# Altium PCB DataDriven_PCB.PcbDoc (part 3 of 3)
Units mil, origin at the board's own origin, x right, y up, seen from the top; angles counter-clockwise.
Board outline 5198.03 x 4870.08 mil, 4 copper layers (Top, GND, PWR, Bottom), stack 59.694 mil thick; 132 components, 92 nets, 564 pads, 527 vias.
Unrouted connection lines stored in the file: 5.
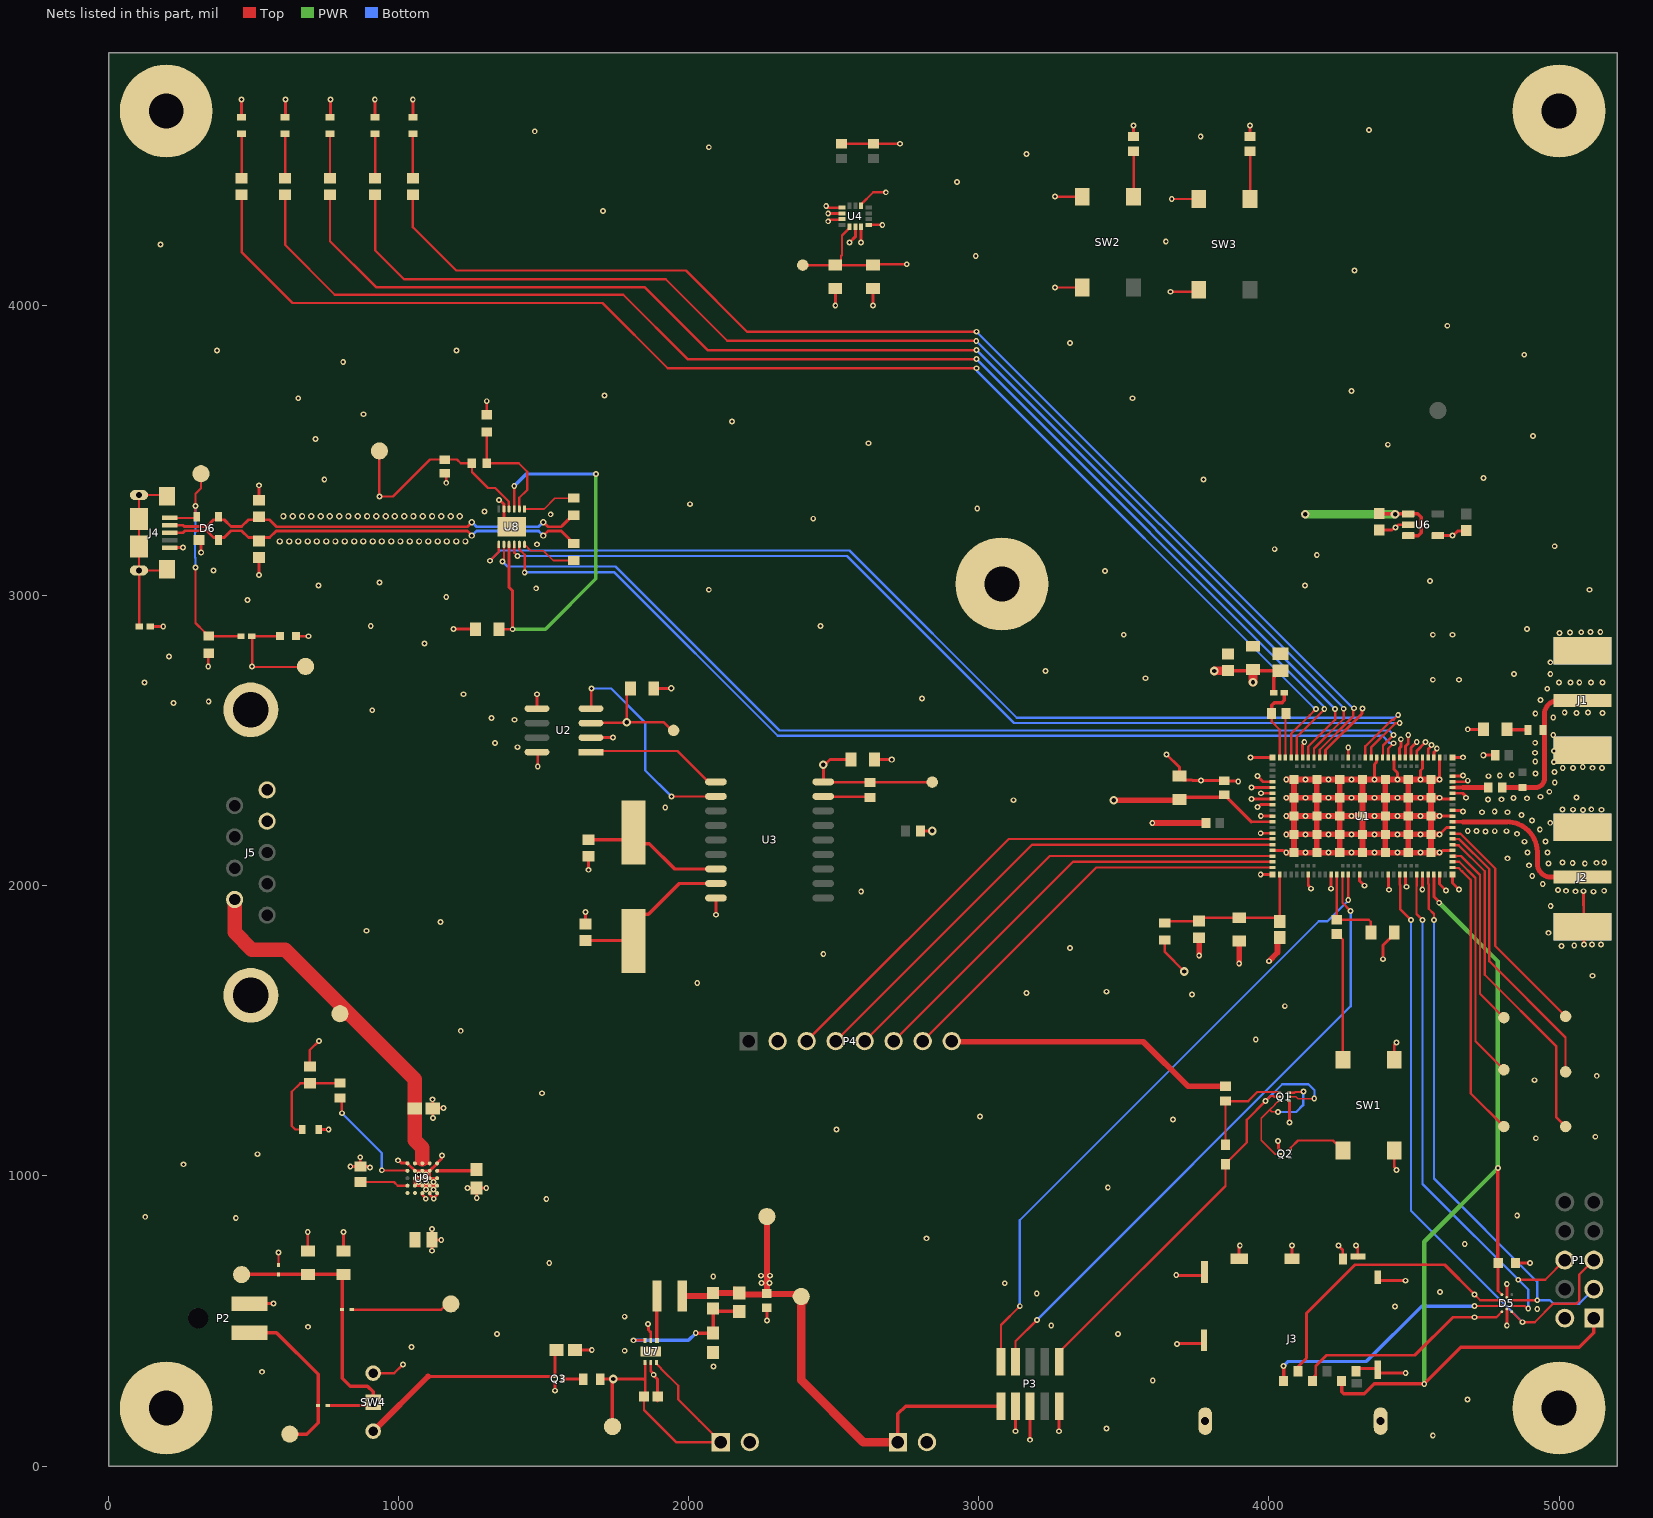
[diagram p5: the nets of this part, all layers, seen from the top]

## Via types
v1: diameter 20, hole 10, Top to Bottom, tented both sides, 465 vias
v2: diameter 22, hole 12, Top to Bottom, tented both sides, 51 vias
v3: diameter 30, hole 15, Top to Bottom, tented both sides, 11 vias

## Nets (pads, with @x,y where several pads share a name; then routed paths per layer and width w, separated by ;. In a path a pad name is that pad's centre, name@x,y a point inside that pad or via, vN(x,y) a via of type N, cw(c..) or ccw(c..) an arc to the next point about the centre after c; other vN are vias at no path point) (continued)
GND: C1.2 C2.2 C3.1 C4.2 C5.2 C6.1 C7.2 C8.2 C9.2 C10.2 C12.2 C13.1 C14.2 C15.2 C16.2 C17.1 C18.1 C26.2 C27.2 C28.2 C29.2 C30.2 C31.2 C32.2 C33.2 C34.2 C36.2 C37.2 C38.2 C39.2 C40.2 C41.2 C42.1 C43.1 D5.B1 D5.B2 D6.1 DS1.2 DS2.2 DS3.2 DS4.2 DS5.2 DS6.2 FB2.2 J1.2 J1.3 J1.4 J1.5 J2.2 J2.3 J2.4 J2.5 J3.4 J3.8 J3.9 J3.10 J3.11 J3.12 J3.13 J3.14 J3.15 J3.16 J3.17 J4.5 J5.1 J5.2 J5.MH1 J5.MH2 MT1.1 MT2.1 MT3.1 MT4.1 MT5.1 P1.2 P2.1 P3.3 P3.5 P3.9 P4.2 P5.2 P6.2 Q1.1 Q2.1 Q3.2 R13.2 R19.2 R21.2 R22.2 R23.1 R26.1 SW1.3 SW1.4 U1.1 U1.5 U1.6 U1.7 U1.8 U1.9 U1.11 U1.14 U1.17 U1.21 U1.27 U1.31 U1.36 U1.41 U1.44 U1.47 U1.50 U1.52 U1.56 U1.60 U1.62 U1.63 U1.65 U1.66 U1.68 U1.69 U1.72 U1.74 U1.75 U1.76 U1.77 U1.78 U1.79 U1.80 U1.81 U1.82 U1.85 U1.90 U1.94 U1.98 U1.103 U2.2 U2.5 U2.8 U3.9 U4.1 U4.2 U4.3 U4.6 U4.7 U6.2 U6.4 U7.2 U7.5 U7.7 U8.5 U8.13 U9.A1 U9.A5 U9.B2 U9.B3 U9.B4 U9.C2 U9.C3 U9.C4 U9.C5 U9.D2 U9.D3 U9.D4 U9.D5 U9.E3 U9.E4 U9.E5 | length 12757.8
  Top w10: FB2.2@144.69,2893.7 v1(190,2893.7) ; J4.5@211.61,3165.35 v1(257.87,3165.35) ; D6.1@313,3191.26 320,3184.26 v2(320,3148.47) ; v1(345,2755.91) 345,2799.72 C40.2@346.46,2801.18 ; v1(459.96,4710.04) v1(459.96,4710.04) DS5.2@460,4648.54 ; P2.1@487.01,560 v1(570,560) ; v1(520,3071.46) C42.1@520,3131.46 ; C43.1@520,3328.54 v1(520,3380) ; v1(610.98,4710.04) 611.03,4710 DS4.2@611.03,4648.54 ; C41.2@647.56,2860 v1(690,2860) ; v1(687.99,807.09) 687.99,742.13 C31.2@688.98,741.14 ; DS6.2@725.9,1160 v1(760,1160) ; v1(766.73,4710.04) v1(766.73,4710.04) DS3.2@766.77,4648.54 ; C30.2@811.02,741.14 v1(811.02,807.09) ; v1(834.5,1032.83) R22.2@868.75,1032.83 ; v1(868.6,1064.26) 868.6,1032.97 R22.2@868.75,1032.83 ; R22.2@869.11,1032.46 R22.2@868.75,1032.83 ; v1(902.51,1029.54) 899.8,1029.54 896.51,1032.83 R22.2@868.75,1032.83 ; v1(919.02,4710.04) 919.06,4710 DS2.2@919.06,4648.54 ; v1(999.2,1053.8) 1001.9,1053.8 1011.67,1044.03 1030.77,1044.03 U9.A1@1031.5,1043.31 U9.B2@1057.09,1017.72 U9.B3@1082.68,1017.72 U9.B4@1108.27,1017.72 ; DS1.2@1050.04,4648.54 1050.04,4710 v1(1050,4710.04) ; U9.E3@1082.68,940.94 1083.4,940.22 1083.4,934.86 1094.49,923.77 v1(1094.49,921.26) ; U9.E4@1108.27,940.94 1108.99,940.22 1108.99,934.86 v1@1122.05,921.8 ; v1(1116.02,817.19) 1116.02,779.65 C29.2@1116.14,779.53 C29.2@1116.14,779.53 ; v1(1116.18,742.12) C29.2@1116.14,779.53 ; v1(1117.94,1264.04) 1118.75,1263.23 C28.2@1118.75,1232.92 ; C28.2@1118.11,1232.28 C28.2@1118.75,1232.92 ; v1(1119.56,1199.67) 1118.75,1200.48 C28.2@1118.75,1232.92 ; v1(1122.05,921.26) v1@1122.05,921.8 ; U9.E5@1133.86,940.94 1133.14,940.22 1133.14,934.86 1122.05,923.77 v1@1122.05,921.8 ; U9.D5@1133.86,966.54 U9.D4@1108.27,966.54 U9.D3@1082.68,966.54 U9.D2@1057.09,966.54 U9.C2@1057.09,992.13 U9.C3@1082.68,992.13 U9.C4@1108.27,992.13 ; U9.C5@1133.86,992.13 U9.C4@1108.27,992.13 ; v1(1147.95,779.14) 1116.53,779.14 C29.2@1116.14,779.53 ; v1(1150,1070) 1148.09,1068.09 1148.09,1058.56 1133.86,1044.33 U9.A5@1133.86,1043.31 U9.B4@1108.27,1017.72 ; v1(1155.55,1234.38) 1120.21,1234.38 C28.2@1118.75,1232.92 ; C38.2@1160.15,3421.47 1165,3416.63 v1(1165,3388.59) ; v1(1190,2885) 1264.83,2885 C39.2@1265.72,2884.11 ; v1(1238.17,958.89) 1238.71,958.36 R21.2@1268.61,958.36 ; R21.2@1270,957.9 R21.2@1270,956.97 ; v1(1270.36,923.49) 1270.36,956.61 R21.2@1270,956.97 ; v1(1302.95,958.01) 1268.96,958.01 R21.2@1268.61,958.36 ; C14.2@1304.84,3623.24 v1(1304.84,3670) ; v1@1351.91,3326.98 1363.89,3315 1363.89,3263.99 U8.13@1390.47,3237.41 ; U2.8@1477.81,2460.43 1480.32,2457.93 v1(1480.32,2411.2) ; U2.5@1477.81,2610.43 v1(1477.81,2660) ; Q3.2@1539.37,291.34 1539.61,291.34 1539.68,291.26 1539.68,260.32 v1(1540,260) ; R23.1@1608.57,400.49 1609.34,399.72 v1(1666.82,399.72) ; C18.1@1645,1868.54 v1(1645,1910) ; v1(1654.92,2055) C17.1@1654.92,2101.46 C17.1@1659.88,2096.5 ; U2.2@1663.92,2510.43 v1(1740,2510.43) ; v1(1860,490) 1861.91,488.09 1861.91,469.4 1869.92,461.39 1869.92,433.46 U7.2@1870,433.39 ; U7.5@1870,356.61 1870,327.71 1880,317.71 1880,312.29 1893.72,298.57 C33.2@1893.72,224.41 ; C16.2@1880.35,2680 v2(1940,2680) ; v1(2094.49,1900) U3.9@2094.49,1957.87 ; C36.2@2270,545.32 2270.97,544.35 v1(2270.97,502.08) ; v1(2474.41,4343.01) 2477.12,4343.01 2483.51,4336.61 U4.1@2529.04,4336.61 ; v1(2481.32,4289.72) 2486.95,4295.35 2527.15,4295.35 U4.3@2529.04,4297.24 ; v1(2481.3,4316.93) U4.2@2529.04,4316.93 ; v1(2505.91,4000) C27.2@2505.91,4058.07 ; v1(2555.04,4216.54) 2574.8,4236.3 U4.6@2574.8,4271.16 ; v1(2594.49,4216.54) U4.7@2594.49,4271.16 ; v1(2635.5,4000) C26.2@2635.5,4058.07 ; C15.2@2640.35,2435 v2(2700.35,2435) ; v1(3127.17,120) P3.3@3127.17,206.69 ; v1(3177.17,90.55) P3.5@3177.17,206.69 ; v1(3277.17,120) P3.9@3277.17,206.69 ; R19.2@3533.94,4582.52 v1(3533.94,4620) ; v1(3647.64,2452.76) 3691.93,2408.46 C1.2@3691.93,2377.95 3705.75,2364.13 3735.29,2364.13 3736.5,2362.92 v1(3765.74,2362.92) 3766.59,2362.07 3845.61,2362.07 C2.2@3846.46,2361.22 3847.26,2360.42 3893.76,2360.42 v1(3894.57,2359.61) ; v1(3680.7,658.23) 3681.45,657.48 3771.97,657.48 3778.78,664.29 J3.15@3778.78,669.02 J3.15@3778.78,679.13 ; v1(3683.8,421.31) 3684.94,422.44 3769.53,422.44 J3.16@3771.97,420 ; J3.14@3897.48,725.39 3897.48,727.39 3896.68,728.19 3896.68,756.15 3900,759.47 v1(3900,760) ; R13.2@3935.51,4582.52 v1(3935.51,4620) ; v1(3937.01,2441.73) U1.1@4012.99,2441.73 ; v1(3939.96,2299.21) U1.8@4012.99,2299.21 ; v1(3939.96,2338.58) U1.6@4012.99,2338.58 ; v1(3960.63,2271.65) 3963.88,2271.65 3971.75,2279.53 U1.9@4012.99,2279.53 ; v1(3960.63,2377.95) 3980.31,2358.27 U1.5@4012.99,2358.27 ; v1(3971.75,2038.58) U1.21@4012.99,2038.58 ; v1(3971.75,2181.1) U1.14@4012.99,2181.1 ; v1(3972.29,2240.41) 3972.41,2240.29 4012.86,2240.29 U1.11@4012.99,2240.16 ; v1(3972.44,2318.9) U1.7@4012.99,2318.9 ; U1.17@4013.62,2121.42 U1.17@4012.99,2122.05 4049.42,2122.05 4057.29,2114.17 v1(4060,2114.17) ; v1(4031.5,1120) 4032.56,1118.93 4032.56,1095 Q2.1@4035.58,1091.98 ; C7.2@4038.7,2800.83 C7.2@4040,2799.53 ; v1(4071.08,1183.99) Q1.1@4071.08,1255.91 ; J3.13@4079.96,725.39 4080,725.43 v1(4080,760) ; U1.98@4116.14,2441.73 4116.14,2486.53 4122.17,2492.56 v1(4122.17,2495.81) ; U1.27@4135.83,2038.58 4135.83,2001.88 4145,1992.71 v1(4145,1990) ; U1.94@4194.88,2441.73 4194.88,2467.36 4320.54,2593.02 4320.54,2608.76 v1(4322.45,2610.67) ; v1(4214.57,1990) U1.31@4214.57,2038.58 ; v1(4240,760) 4254.74,745.26 4254.74,728.19 4255.16,727.77 J3.12@4255.16,724.02 ; U1.90@4273.62,2441.73 v1(4273.62,2476.42) ; v1(4300,760) 4300,759.48 4306.51,752.97 J3.11@4306.51,716.73 ; J3.4@4300.83,336.61 4369.6,336.61 4374.82,331.4 J3.9@4374.82,320.87 ; U1.36@4312.99,2038.58 4312.99,2016.73 v1(4329.42,2000.31) ; v1(4364.11,2366.14) 4364.11,2414.47 cw(c4374.11,2414.43) 4367.2,2421.66 ccw(c4358.27,2431.1) 4371.27,2431.1 4371.27,2436.1 U1.85@4372.05,2441.73 ; J3.9@4375.23,342.52 J3.9@4375.23,332.4 4375.23,326.5 4380.86,320.87 4471.13,320.87 v1(4471.46,320.54) ; J3.10@4375.23,660.83 J3.10@4375.23,650.71 4375.23,639.17 4470.59,639.17 v1(4470.71,639.04) ; C32.2@4380,3226.39 4424.54,3226.39 4433.28,3235.13 v1(4435.98,3235.13) 4437.49,3235.13 4446.46,3244.09 U6.2@4480.31,3244.09 U6.2@4480.77,3244.55 ; v1(4393.62,1747.02) 4393.62,1795.25 4432.01,1833.64 C10.2@4432.01,1838.56 ; U1.41@4411.42,2038.58 4412.32,2037.68 4412.32,1987.73 v1(4413.64,1986.42) ; U1.82@4431.1,2441.73 4431.1,2401.57 4443.49,2389.19 v1(4443.49,2366.14) ; SW1.3@4432.28,1087.6 4432.28,1030.42 4440,1022.71 v1(4440,1020) ; SW1.4@4432.28,1400.59 4432.28,1450.82 4440,1458.54 v1(4440,1460) ; U1.81@4450.79,2441.73 4450.79,2475 4454.71,2478.92 v1(4454.71,2505) ; U1.44@4470.47,2038.58 4470.47,2003.5 4474.27,1999.7 v1(4474.27,1996.45) ; U1.80@4470.47,2441.73 4470.24,2441.97 4470.24,2480.08 4480.31,2490.16 v1(4480.31,2519.42) ; U1.79@4490.16,2441.73 4490.16,2475.31 v1(4509.84,2495) ; U1.78@4509.84,2441.73 4509.84,2464.84 v1(4540,2495) ; v1(4522.86,2366.14) 4522.86,2397.64 4529.53,2404.3 U1.77@4529.53,2441.73 ; v1(4528.83,1987.11) 4529.18,1987.46 4529.18,2038.23 U1.47@4529.53,2038.58 ; U1.76@4549.21,2441.73 4549.21,2471.51 4560,2482.29 v1(4560,2485) ; U1.75@4568.9,2441.73 4569.8,2442.64 4569.8,2461.06 4578.77,2470.03 v1(4578.77,2472.85) ; U6.4@4582.68,3206.69 v1(4632.64,3206.69) 4635.35,3206.69 4650.8,3222.15 4679.07,3222.15 C34.2@4680.86,3223.94 ; v1(4588,2303.15) 4590.71,2303.15 4594.64,2299.21 U1.65@4632.68,2299.21 ; v1(4588,2366.14) 4588.58,2366.72 U1.74@4588.58,2441.73 ; U1.50@4588.58,2038.58 4588.58,2006.32 v1(4610.77,1984.13) ; v1(4588.58,2114.17) 4591.83,2114.17 4599.7,2122.05 U1.56@4632.68,2122.05 ; v1(4588.58,2177.17) 4612.2,2200.79 U1.60@4632.68,2200.79 ; v1(4588.58,2240.16) U1.62@4632.68,2240.16 ; U1.52@4632.68,2038.58 4632.68,2009.44 v1(4655,1987.11) ; U1.63@4632.68,2259.84 4662.21,2259.84 4666.3,2255.75 v1(4669.01,2255.75) ; U1.66@4632.68,2318.9 4668.19,2318.9 4677.11,2309.97 4677.11,2305.06 v1(4679.02,2303.15) ; U1.68@4632.68,2358.27 4679.02,2358.27 4682.84,2362.08 v1(4685.54,2362.08) ; U1.69@4632.68,2377.95 4633.58,2378.86 4668.07,2378.86 v1(4669.01,2379.8) ; U1.72@4632.68,2441.73 4633.13,2442.19 4668.55,2442.19 v1(4669.01,2442.64) ; v1(4685.54,2539.06) C12.2@4739.65,2539.06 ; v2(4739.65,2450) C13.1@4780,2450 ; v1(4820.08,484.12) D5.B1@4820.08,541.73 ; D5.B2@4820.08,581.1 v1(4820.08,627.96) ; C37.2@4849.61,700 v1(4900,700) ; v1(5084.52,1981.34) 5084.52,1932.49 5085.14,1931.87 5085.14,1863.02 5090.16,1858 5086.55,1854.39 v1(5086.55,1797.4) ; U9.C4@1108.27,992.13 U9.B4@1108.27,1017.72 ; R21.2@1268.61,958.36 R21.2@1270,956.97
  Top w19.68: v1(3598.43,2216.54) C4.2@3783.46,2216.54 ; v1(3759.84,1759.84) C6.1@3759.84,1820.87 ; v1(3897.64,1732.28) C8.2@3897.64,1809.06 ; v1(4000,1740.16) 4029.76,1769.92 4029.76,1814.19 C9.2@4037.4,1821.83 ; v1(4060,2114.17) U1.103@4086.61,2114.17 ; v1(4060,2177.17) U1.103@4086.61,2177.17 ; v1(4060,2240.16) U1.103@4086.61,2240.16 ; v1(4060,2303.15) U1.103@4086.61,2303.15 ; v1(4060,2366.14) U1.103@4086.61,2366.14 ; v1(4588,2303.15) U1.103@4559.06,2303.15 ; v1(4588,2366.14) U1.103@4559.06,2366.14 ; v1(4588.58,2114.17) U1.103@4559.06,2114.17 ; v1(4588.58,2177.17) U1.103@4559.06,2177.17 ; v1(4588.58,2240.16) U1.103@4559.06,2240.16 ; U1.103@4086.61,2114.17 U1.103@4086.61,2177.17 ; U1.103@4086.61,2114.17 v1(4125.98,2114.17) U1.103@4165.35,2114.17 ; U1.103@4086.61,2177.17 v1(4125.98,2177.17) U1.103@4165.35,2177.17 ; U1.103@4086.61,2177.17 U1.103@4086.61,2240.16 ; U1.103@4086.61,2240.16 v1(4125.98,2240.16) U1.103@4165.35,2240.16 ; U1.103@4086.61,2240.16 U1.103@4086.61,2303.15 ; U1.103@4086.61,2303.15 v1(4125.98,2303.15) U1.103@4165.35,2303.15 ; U1.103@4086.61,2303.15 U1.103@4086.61,2366.14 ; U1.103@4086.61,2366.14 v1(4125.98,2366.14) U1.103@4165.35,2366.14 ; U1.103@4165.35,2114.17 U1.103@4165.35,2177.17 ; U1.103@4165.35,2114.17 v1(4205.36,2114.17) U1.103@4244.09,2114.17 ; U1.103@4165.35,2177.17 U1.103@4165.35,2240.16 ; U1.103@4165.35,2177.17 v1(4205.36,2177.17) U1.103@4244.09,2177.17 ; U1.103@4165.35,2240.16 U1.103@4165.35,2303.15 ; U1.103@4165.35,2240.16 v1(4205.36,2240.16) U1.103@4244.09,2240.16 ; U1.103@4165.35,2303.15 U1.103@4165.35,2366.14 ; U1.103@4165.35,2303.15 v1(4205.36,2303.15) U1.103@4244.09,2303.15 ; U1.103@4165.35,2366.14 v1(4205.36,2366.14) U1.103@4244.09,2366.14 ; U1.103@4244.09,2114.17 U1.103@4244.09,2177.17 ; U1.103@4244.09,2114.17 v1(4284.73,2114.17) U1.103@4322.83,2114.17 ; U1.103@4244.09,2177.17 U1.103@4244.09,2240.16 ; U1.103@4244.09,2177.17 v1(4284.73,2177.17) U1.103@4322.83,2177.17 ; U1.103@4244.09,2240.16 U1.103@4244.09,2303.15 ; U1.103@4244.09,2240.16 v1(4284.73,2240.16) U1.103@4322.83,2240.16 ; U1.103@4244.09,2303.15 U1.103@4244.09,2366.14 ; U1.103@4244.09,2303.15 v1(4284.73,2303.15) U1.103@4322.83,2303.15 ; U1.103@4244.09,2366.14 v1(4284.73,2366.14) U1.103@4322.83,2366.14 ; U1.103@4322.83,2114.17 U1.103@4322.83,2177.17 ; U1.103@4322.83,2114.17 v1(4364.11,2114.17) U1.103@4401.57,2114.17 ; U1.103@4322.83,2177.17 U1.103@4322.83,2240.16 ; U1.103@4322.83,2177.17 v1(4364.11,2177.17) U1.103@4401.57,2177.17 ; U1.103@4322.83,2240.16 U1.103@4322.83,2303.15 ; U1.103@4322.83,2240.16 v1(4364.11,2240.16) U1.103@4401.57,2240.16 ; U1.103@4322.83,2303.15 U1.103@4322.83,2366.14 ; U1.103@4322.83,2303.15 v1(4364.11,2303.15) U1.103@4401.57,2303.15 ; U1.103@4322.83,2366.14 v1(4364.11,2366.14) U1.103@4401.57,2366.14 ; U1.103@4401.57,2114.17 U1.103@4401.57,2177.17 ; U1.103@4401.57,2114.17 v1(4443.49,2114.17) U1.103@4480.31,2114.17 ; U1.103@4401.57,2177.17 U1.103@4401.57,2240.16 ; U1.103@4401.57,2177.17 v1(4443.49,2177.17) U1.103@4480.31,2177.17 ; U1.103@4401.57,2240.16 U1.103@4401.57,2303.15 ; U1.103@4401.57,2240.16 v1(4443.49,2240.16) U1.103@4480.31,2240.16 ; U1.103@4401.57,2303.15 U1.103@4401.57,2366.14 ; U1.103@4401.57,2303.15 v1(4443.49,2303.15) U1.103@4480.31,2303.15 ; U1.103@4401.57,2366.14 v1(4443.49,2366.14) U1.103@4480.31,2366.14 ; U1.103@4480.31,2114.17 U1.103@4480.31,2177.17 ; U1.103@4480.31,2114.17 v1(4522.86,2114.17) U1.103@4559.06,2114.17 ; U1.103@4480.31,2177.17 U1.103@4480.31,2240.16 ; U1.103@4480.31,2177.17 v1(4522.86,2177.17) U1.103@4559.06,2177.17 ; U1.103@4480.31,2240.16 U1.103@4480.31,2303.15 ; U1.103@4480.31,2240.16 v1(4522.86,2240.16) U1.103@4559.06,2240.16 ; U1.103@4480.31,2303.15 U1.103@4480.31,2366.14 ; U1.103@4480.31,2303.15 v1(4522.86,2303.15) U1.103@4559.06,2303.15 ; U1.103@4480.31,2366.14 v1(4522.86,2366.14) U1.103@4559.06,2366.14 ; U1.103@4559.06,2114.17 U1.103@4559.06,2177.17 ; U1.103@4559.06,2177.17 U1.103@4559.06,2240.16 ; U1.103@4559.06,2240.16 U1.103@4559.06,2303.15 ; U1.103@4559.06,2303.15 U1.103@4559.06,2366.14
  other v1: 4565,105 3440,130 4685,230 3600,295 1880,315 530,325 2086.39,343.52 1780,397.48 1045,410 1340,455 3480,455 688.78,480 3250,485 1780,515 4924.97,541.73 4435,550 3200,595 4590,600 3090,630 2085.43,653.37 1520,700 4675,765 2820,785 440,855 127.92,859.08 4855.71,864 1510,920 1095.37,953.44 1121.36,953.31 3445,960 1095.88,978.4 1069.76,979.18 1121.23,979.43 1070.17,1004.62 1095.75,1004.65 260,1040 515,1075 4920,1130 5125,1135 2510,1160 3670,1195 3005,1205 1495,1285 4915,1330 5130,1345 3955,1470 1215,1500 4055,1585 3735,1625 3165,1630 3440,1635 2030,1665 5115,1690 2464.57,1765 3315,1785 5008.8,1791.89 5052.32,1793.63 5114.11,1797.4 5145.15,1797.98 4963.83,1837.72 890,1845 1145,1875 4971.29,1930 2595,1980 5118.75,1979.59 5057.25,1980.76 5023.88,1982.5 5155.6,1982.79 4996.36,1985.66 4944.03,2005.71 4907.55,2033.25 4896.19,2070.42 4963.2,2076.28 5088.87,2077.07 5047.09,2078.81 5128.91,2079.1 5011.99,2079.68 5155.6,2079.68 4822.6,2094.56 4891.7,2114.54 4960,2114.54 4880.89,2151.92 4953.6,2152.92 4855.27,2178.95 4746.66,2187.41 4685.54,2188.35 4778.63,2188.12 4818.6,2188.12 4715.16,2188.59 4933.85,2194.39 4969.6,2216.84 4906.9,2225.07 4871.06,2244.28 4734.58,2253.17 4822.6,2253.46 4778.16,2255.75 5082.4,2261.49 5048.52,2262.26 5145.93,2261.88 5012.33,2262.65 5111.28,2263.42 1920,2270 3120,2295 4755.39,2296.94 4801.75,2297.87 4889.84,2301.35 4843.25,2302.27 5059.85,2303.73 4935.74,2306.91 4966.57,2323.83 4985.35,2356.28 4756.81,2377.6 4795.95,2379.8 4837.3,2381.21 4918.74,2386.81 4984.42,2391.52 5012.86,2405.67 5047.96,2405.67 5115.77,2406.41 5147.93,2406.22 5081.78,2409.16 4981.98,2426.62 4917.97,2427.81 4917.39,2458.22 4983.03,2464.54 1411.16,2477.54 1332.86,2491.5 4917.77,2492.87 4980,2520 1400.48,2571.99 1320.81,2578.28 4980,2580 4918.35,2594.11 5060.14,2595.87 5150,2595.87 5019.38,2596.82 5100,2596.82 910,2605 225,2630 346.46,2635 4936.64,2640.5 2805,2645 1225,2660 4959.31,2678.84 125,2700 5000,2700 5040,2700 5070,2700 5110,2700 5150,2700 4565,2710 4655,2710 3575,2715 4845,2730 4970,2730 3230,2740 4970,2770 210,2790 1090,2835 3500,2865 4565,2865 4632.64,2865 5001.21,2870.54 5037.51,2873.13 5076.41,2873.65 5142.27,2874.17 5108.56,2874.69 4890,2885 905,2895 2455,2895 480,2985 1165,2995 2070,3020 5105,3020 1475,3025 725,3035 4125,3035 935,3045 4555,3050 3435,3085 363.51,3086.61 4165.35,3140 4020,3160 4985,3170 1477.39,3176.6 2430,3265 1525,3280 1296.96,3290 2995,3300 2005,3315 1347.17,3329.02 745,3400 3775,3400 4740,3405 4410,3520 2620,3525 715,3540 4910,3550 2150,3600 880,3625 655,3680 3530,3680 1710,3690 4285,3705 810,3805 4880,3830 375,3845 1200,3845 3315,3870 4615,3930 4295,4120 2990,4170 180,4210 3645,4220 1705,4325 2925,4425 3164.71,4521.7 2070,4545 3765,4582.52 1470,4600 4345,4605
  other v2: 591.43,3186.56 623.43,3186.56 655.43,3186.56 687.43,3186.56 719.43,3186.56 751.43,3186.56 783.43,3186.56 815.43,3186.56 847.43,3186.56 879.43,3186.56 911.43,3186.56 943.43,3186.56 975.43,3186.56 1007.43,3186.56 1039.43,3186.56 1071.43,3186.56 1103.43,3186.56 1135.43,3186.56 1167.43,3186.56 1199.43,3186.56 1231.43,3186.56 604.15,3273.5 636.15,3273.5 668.15,3273.5 700.15,3273.5 732.15,3273.5 764.15,3273.5 796.15,3273.5 828.15,3273.5 860.15,3273.5 892.15,3273.5 924.15,3273.5 956.15,3273.5 988.15,3273.5 1020.15,3273.5 1052.15,3273.5 1084.15,3273.5 1116.15,3273.5 1148.15,3273.5 1180.15,3273.5 1212.15,3273.5
GPS_RF1: C11.1 U1.67 | length 123.7
  Top w14: U1.67@4632.68,2338.58 4669.01,2338.58
  Top w17: 4669.01,2338.58 C11.1@4756.38,2338.58
GPS_RF2: C11.2 J1.1 L1.2 L2.1 | length 554.4
  Top w17: C11.2@4803.62,2338.58 L2.1@4874.01,2338.58 4918.58,2338.58 ccw(c4918.58,2370) 4950,2370 4950,2536.85 4950,2591.6 cw(c4996.92,2591.6) 4996.92,2638.52 J1.1@5091.67,2638.52
LED1: R2.2 U1.95 | length 4260.7
  Top w8: R2.2@1050,4381.46 1050,4269.88 1199.88,4120 1991.36,4120 2201.91,3909.45 v1(2992.03,3909.45) ; U1.95@4175.2,2441.73 4175.2,2468.73 4291.36,2584.89 4291.36,2609.86 v1(4293.31,2611.81)
  Bottom w8: v1(2992.03,3909.45) 4287.37,2614.1 4291.01,2614.1 v1(4293.31,2611.81)
LED2: R4.2 U1.96 | length 4395.9
  Top w8: R4.2@920,4381.46 920,4190 1020,4090 1921.5,4090 2133.55,3877.95 2990.81,3877.95 v1(2991.47,3877.3) ; U1.96@4155.51,2441.73 4155.51,2472.82 4257.87,2575.18 v1(4257.87,2609.93)
  Bottom w8: v1(2991.47,3877.3) 2994.76,3874.01 2994.84,3874.01 3624.01,3244.85 3625.54,3244.85 4257.87,2612.51 v1(4257.87,2609.93)
LED3: R6.2 U1.97 | length 4500.3
  Top w8: R6.2@764.76,4381.46 764.76,4221.46 923.23,4062.99 1848.25,4062.99 2065.4,3845.84 v1(2992.03,3845.84) ; R6.2@764.76,4387.36 R6.2@767.72,4387.36 ; U1.97@4135.83,2441.73 4135.83,2479.63 4228.35,2572.15 v1(4228.35,2608.91)
  Bottom w8: v1(2992.03,3845.84) 4228.35,2609.52 v1(4228.35,2608.91)
LED4: R7.2 U1.99 | length 4627.4
  Top w8: R7.2@610,4381.46 610,4207.91 781.08,4036.83 1774.87,4036.83 1996.74,3814.96 2991.92,3814.96 v1(2992.03,3814.86) ; U1.99@4096.46,2441.73 4096.46,2512.34 4191.11,2606.99 v1(4191.11,2608.91)
  Bottom w8: v1(2992.03,3814.86) 4188.82,2618.07 4188.82,2611.21 v1(4191.11,2608.91)
LED5: R8.2 U1.100 | length 4759.8
  Top w8: R8.2@460,4381.46 460,4183.7 635.49,4008.21 1703.59,4008.21 1928.33,3783.46 2991.89,3783.46 v1(2992.01,3783.34) ; U1.100@4076.77,2441.73 4076.77,2523.64 4140.73,2587.59 v1(4162.66,2609.52)
  Bottom w8: v1(2992.01,3783.34) 2994.3,3781.05 2994.3,3774.33 4153.33,2615.31 4153.63,2615.31 4159.41,2609.52 v1(4162.66,2609.52)
LTE_RF1: J2.1 U1.61 | length 579.1
  Top w11.81: U1.61@4632.79,2220.47 4665.11,2220.47
  Top w17: 4669.01,2220.47 4820.27,2220.47 cw(c4820.27,2115.85) 4900.41,2183.1 cw(c4819,2114.79) 4925.12,2109.08 4925.12,2076.17 ccw(c4971.29,2076.17) 4971.29,2030 J2.1@5009.53,2030
  Top w30: J2.1@5009.53,2030 J2.1@5090.16,2030
MAGPIO0: TP3.1 U1.55 | length 647.8
  Top w8: 4644.95,2102.36 4662.49,2102.36 4727.95,2036.9 4727.95,1627.5 TP3.1@4810,1545.45